# Altium PCB uAMDC.PcbDoc (part 1 of 6) (continued)
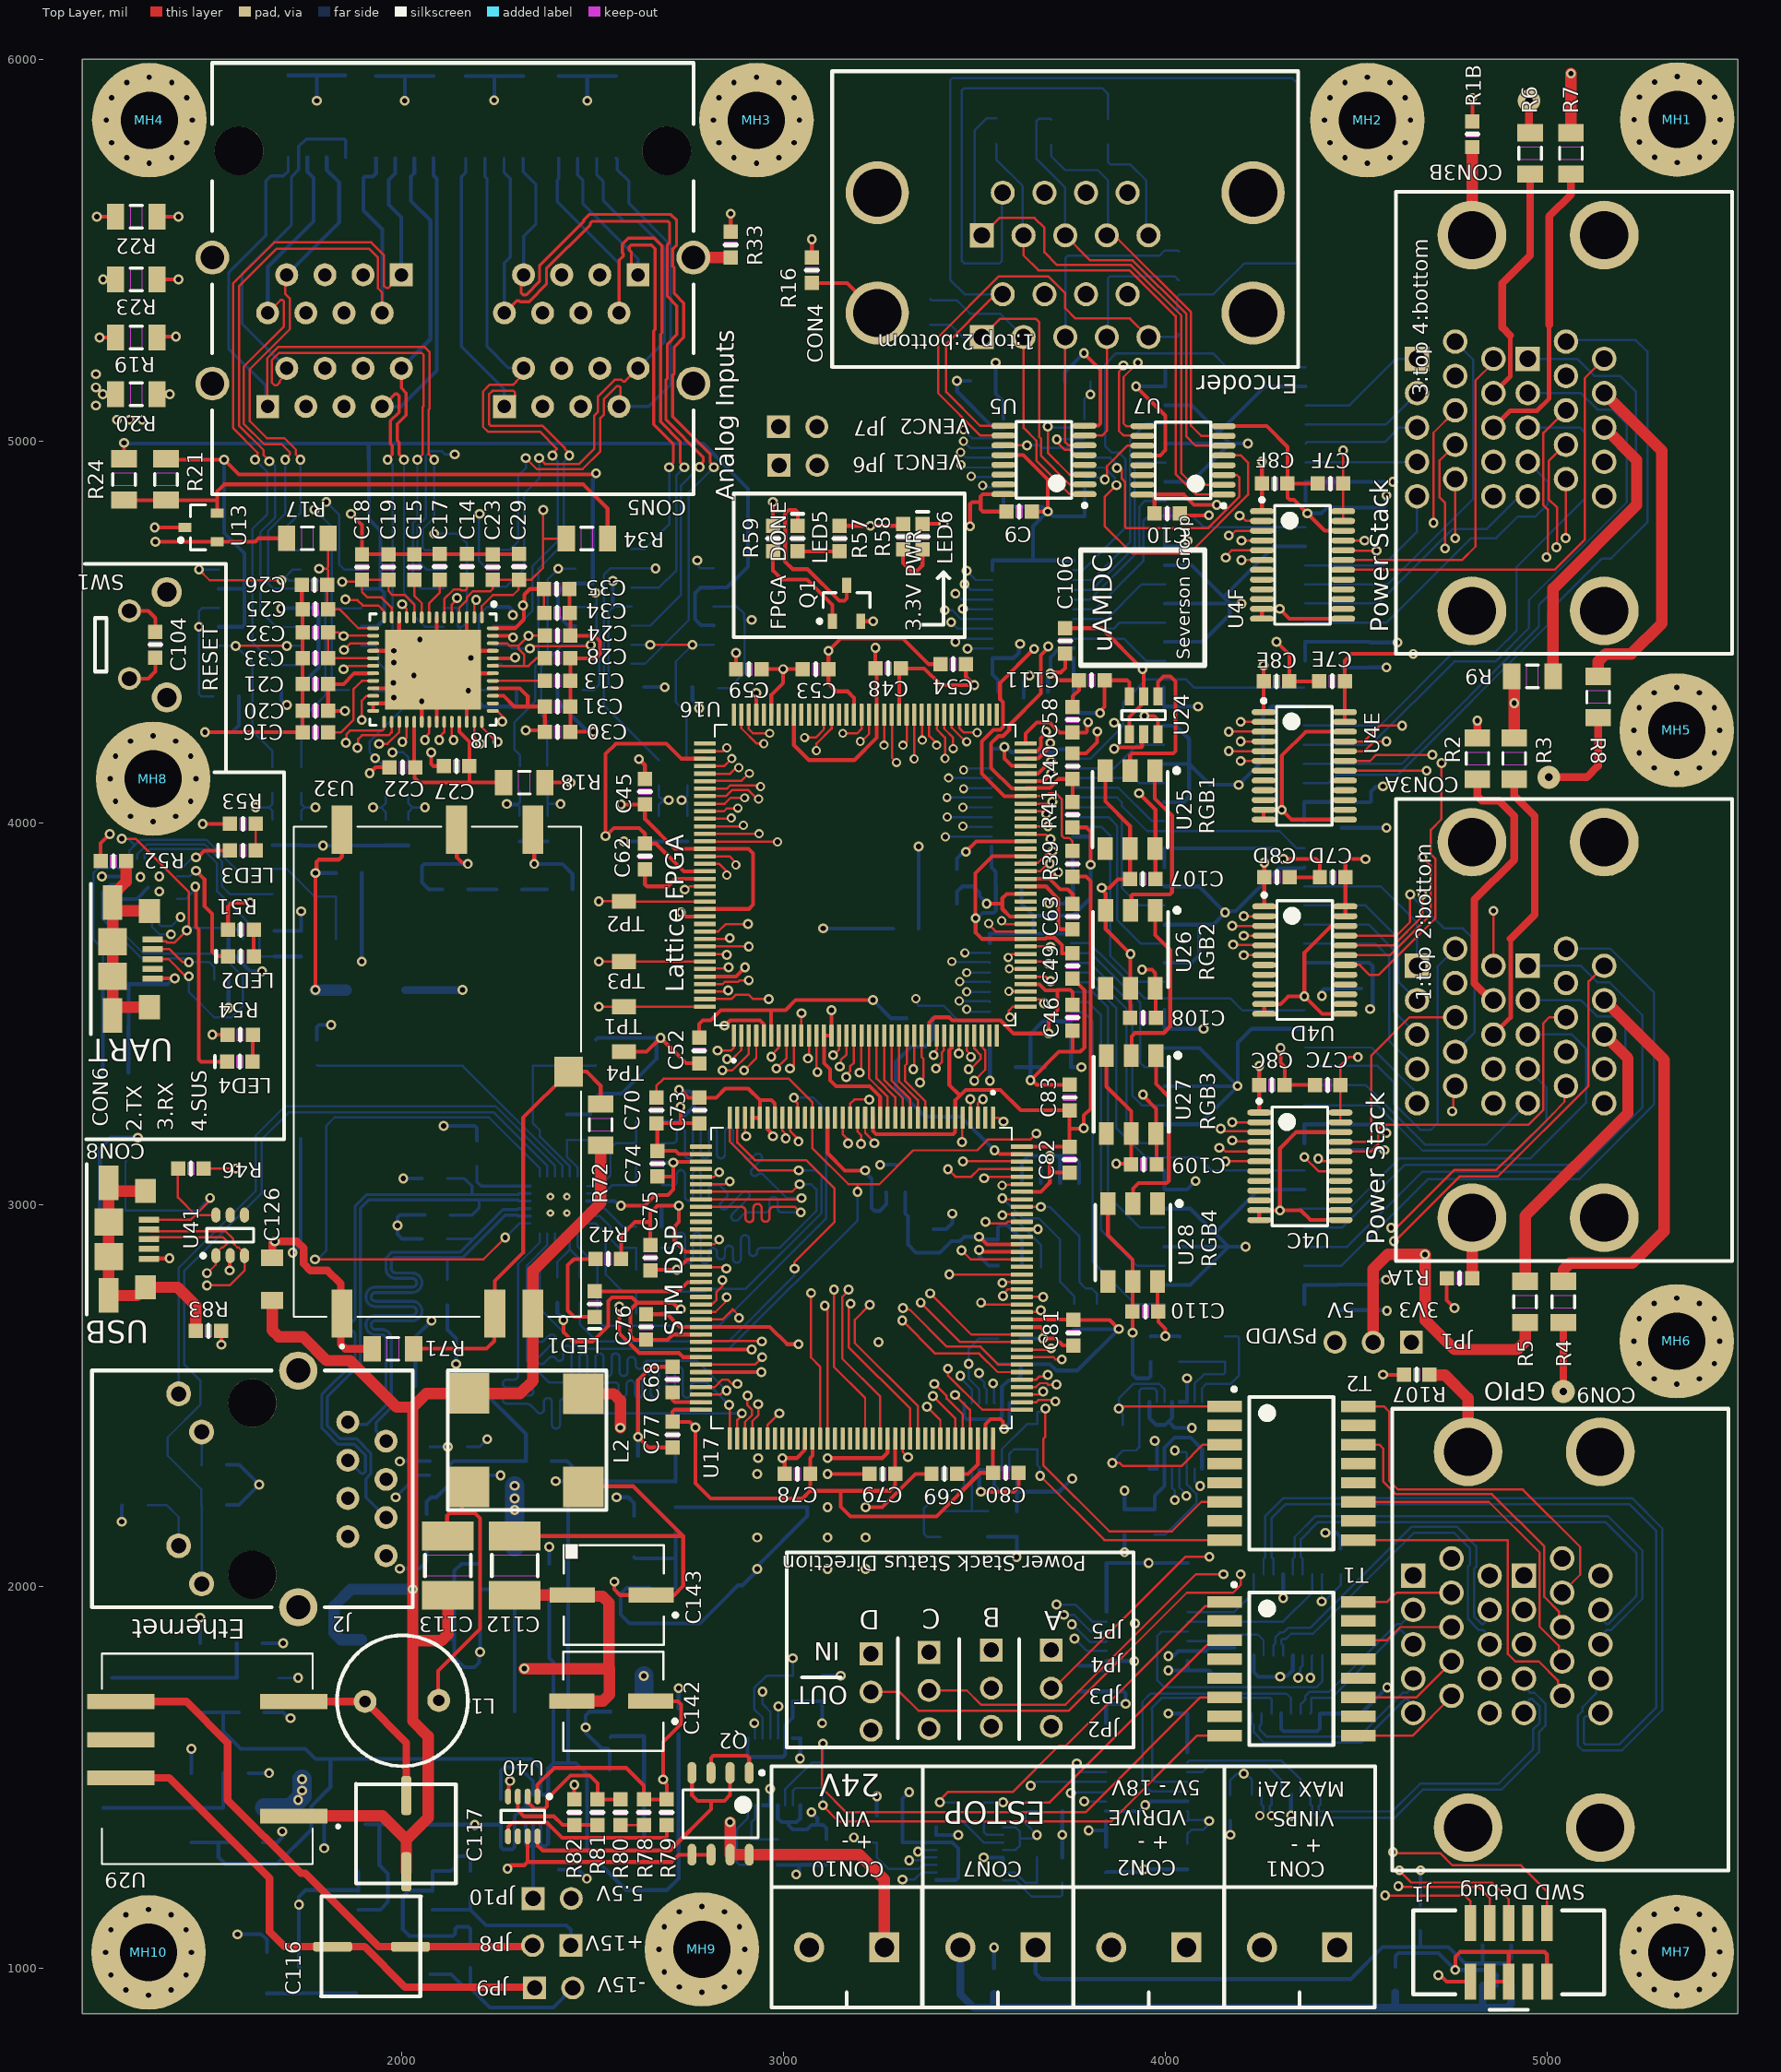
[diagram p0: Top Layer view]
## Components (designator, comment, footprint, x,y, rotation, side; value= is the part's Value field where it differs from the comment) (continued)
C73 "Capacitor" 0603-CAP 2781,3246.24 r90 top value=100nF
C74 "Capacitor" 0603-CAP 2670.76,3106.75 r270 top value=100nF
C75 "Capacitor" 0603-CAP 2652,2860.54 r270 top value=100nF
C76 "Capacitor" 0603-CAP 2641,2678.97 r270 top value=100nF
C77 "Capacitor" 0603-CAP 2710,2397 r90 top value=100nF
C78 "Capacitor" 0603-CAP 3037.46,2294 r0 top value=100nF
C79 "Capacitor" 0603-CAP 3260,2294 r0 top value=100nF
C80 "Capacitor" 0603-CAP 3583,2297 r180 top value=100nF
C81 "Capacitor" 0603-CAP 3760,2664 r90 top value=100nF
C82 "Capacitor" 0603-CAP 3750,3117 r90 top value=100nF
C83 "Capacitor" 0603-CAP 3750,3280 r270 top value=100nF
C96A "Capacitor" 0603-CAP 3279,1399.75 r0 bottom value=0.1uF (schematic designator C96)
C96B "Capacitor" 0603-CAP 3102,1732 r270 bottom value=0.1uF (schematic designator C96)
C96C "Capacitor" 0603-CAP 3894,2168.13 r90 bottom value=0.1uF (schematic designator C96)
C96D "Capacitor" 0603-CAP 3622,2615.13 r270 bottom value=0.1uF (schematic designator C96)
C97A "Capacitor" 0603-CAP 3697.87,1410.84 r180 bottom value=0.1uF (schematic designator C97)
C97B "Capacitor" 0603-CAP 3113.12,1303.87 r90 bottom value=0.1uF (schematic designator C97)
C97C "Capacitor" 0603-CAP 3962.07,2620.99 r270 bottom value=0.1uF (schematic designator C97)
C97D "Capacitor" 0603-CAP 3611.9,2162.87 r90 bottom value=0.1uF (schematic designator C97)
C98 "Capacitor" 0603-CAP 1862.87,3806.94 r0 bottom value=0.1uF
C99 "Capacitor" 0603-CAP 1862.87,3752 r0 bottom value=1uF
C100 "Capacitor" 0603-CAP 1862.87,3695.94 r0 bottom value=1uF
C101 "Capacitor" 0603-CAP 1252.25,3577.22 r180 bottom value=0.1uF
C102 "Capacitor" 0603-CAP 1252.13,3467 r180 bottom value=1uF
C103 "Capacitor" 0603-CAP 1252.13,3345 r180 bottom value=1uF
C104 "Capacitor" 0603-CAP 1356,4466 r90 top value=100nF
C105 "Capacitor" 0603-CAP 4603,970 r270 bottom value=100nF
C106 "Capacitor" 0603-CAP 3738.7,4476 r270 top value=1uF
C107 "Capacitor" 0603-CAP 3941.38,3852.05 r180 top value=100nF
C108 "Capacitor" 0603-CAP 3942.38,3489.05 r180 top value=100nF
C109 "Capacitor" 0603-CAP 3944.38,3105.05 r180 top value=100nF
C110 "Capacitor" 0603-CAP 3948.38,2720.05 r180 top value=100nF
C111 "Capacitor" 0603-CAP 3808,4373 r180 top value=1uF
C112 "Capacitor" 1812-CAP 2297,2054 r90 top value="6.8uF, 50V"
C113 "Capacitor" 1812-CAP 2122,2054 r90 top value="6.8uF, 50V"
C116 "Cap Pol1" EEV336M035A9GAA 1919,1053 r0 top value="27uF, 35V"
C117 "Cap Pol1" EDH476M050A9HAA 2006,1354 r90 top value="47uF, 50V"
C122 "Capacitor" 1808-CAP 1932.59,3561.66 r180 bottom value="1000pF, 2kV"
C123 "Capacitor" 1808-CAP 1973,1860 r0 bottom value="1000pF, 2kV"
C124 "Capacitor" 0603-CAP 2620,2308 r90 bottom value=10uF
C125 "Capacitor" 0603-CAP 2684.54,1996 r180 bottom value=10uF
C126 "Capacitor" "0805 Cap" 1656,2783 r90 top value="10uF, 50V"
C127 "Capacitor" 0603-CAP 1862.87,3868 r180 bottom value=10uF
C128 "Capacitor" 0603-CAP 1607.72,1669.45 r0 bottom value=10uF
C129 "Capacitor" 0603-CAP 1602.8,1850.55 r0 bottom value=10uF
C130 "Capacitor" 0603-CAP 2181,1221 r90 bottom value=0.33uF
C131 "Capacitor" 0603-CAP 2012,1376 r0 bottom value=0.1uF
C132 "Capacitor" 0603-CAP 1603.62,1329.45 r0 bottom value=10uF
C133 "Capacitor" 0603-CAP 2387.28,2025.13 r90 bottom value=10uF
C134 "Capacitor" 0603-CAP 2206.18,2025.13 r90 bottom value=10uF
C135 "Capacitor" 0603-CAP 1567.2,1510.55 r0 bottom value=10uF
C136 "Capacitor" 0603-CAP 2726.28,1645.87 r90 bottom value=10uF
C137 "Capacitor" 0603-CAP 2181,1034 r270 bottom value=0.33uF
C138 "Capacitor" 0603-CAP 1734,967 r270 bottom value=0.1uF
C139 "Capacitor" 0603-CAP 2548,1638 r90 bottom value=10uF
C140 "Capacitor" 0603-CAP 2379,1258 r180 bottom value=1uF
C141 "Capacitor" 0603-CAP 2261,1409 r90 bottom value=0.1uF
C142 "Cap Pol1" "CAP - UWT1V101MCL1GS" 2686,1569 r180 top value=100uF
C143 "Cap Pol1" "CAP - UWT1V101MCL1GS" 2687,1847 r180 top value=100uF
C144 "Capacitor" 0603-CAP 1246,3113 r180 bottom value=0.1uF
C145 "Capacitor" 0603-CAP 1244.13,3047 r180 bottom value=1uF
C146 "Capacitor" 0603-CAP 1244,2984 r180 bottom value=1uF
C147 "Capacitor" 0603-CAP 2360,2328 r180 bottom value=100nF
C148 "Capacitor" 0603-CAP 2066.54,2155.42 r90 bottom value=100nF
C149 "Capacitor" 0603-CAP 2648,2997 r180 bottom value=100nF
C150 "Capacitor" 0603-CAP 1769.87,3172 r0 bottom value=100nF
C151 "470pF" 0603-CAP 2433.65,3202.15 r270 bottom
C152 "30pF" 0603-CAP 1779,3398 r90 bottom
C153 "1uF" 0603-CAP 2494.68,3202.15 r270 bottom
C154 "Capacitor" 0603-CAP 1769.87,3109 r0 bottom value=100nF
C155 "10uF" 0603-CAP 1769.87,3050 r0 bottom
C156 "Capacitor" 0603-CAP 1769.87,2988 r0 bottom value=100nF
C157 "Capacitor" 0603-CAP 1769.87,2925 r0 bottom value=100nF
C158 "30pF" 0603-CAP 2509,3398 r90 bottom
C159 "Capacitor" 0603-CAP 4460,2065 r90 bottom value=0.1uF
C160 "Capacitor" 0603-CAP 4171,1419.13 r270 bottom value=0.1uF
CON1 "ScrewTerminal_1x2" 1935161 4352.43,1054 r180 top
CON2 "ScrewTerminal_1x2" 1935161 3957.57,1054 r180 top
CON3A "178-H15-513R497" 178-H15-513R497 5500,3457 r90 top (schematic designator CON3)
CON3B "178-H15-513R497" 178-H15-513R497 5500,5047 r90 top (schematic designator CON3)
CON4 "L17H2220131" L17H2220131 3738.58,5650 r180 top locked
CON5 "RJSAE538004" RJSAE538004 2695,5760 r180 top locked
CON6 "1981584-1" 1981584-1 1349.32,3642.72 r270 top
CON7 "ScrewTerminal_1x2" 1935161 3562.43,1054 r180 top
CON8 "1981584-1" 1981584-1 1338.86,2908.98 r270 top
CON9 "178-H15-513R497" 178-H15-513R497 5490,1860 r90 top locked
CON10 "ScrewTerminal_1x2" 1935161 3166.57,1054 r180 top
E1 "BLM31KN471SN1L" BEADC3216X180N 2090,2525 r0 bottom
J1 "20021521-00010D4LF" 20021521-00010D4LF 4900,1041 r0 top
J2 "J0011D21BNL" J0011D21BNL 1960,2255 r90 top locked
JP1 "Jumper3" PIN_HEADER_1X3 4545,2639 r180 top
JP2 "Jumper3" PIN_HEADER_1X3 3702,1733 r270 top
JP3 "Jumper3" PIN_HEADER_1X3 3545,1733 r270 top
JP4 "Jumper3" PIN_HEADER_1X3 3382,1727 r270 top
JP5 "Jumper3" PIN_HEADER_1X3 3230,1723 r270 top
JP6 "Jumper2" PIN_HEADER_1x2 3039,4936 r0 top
JP7 "Jumper2" PIN_HEADER_1x2 3038,5037 r0 top
JP8 "Jumper2" PIN_HEADER_1x2 2394,1059 r180 top
JP9 "Jumper2" PIN_HEADER_1x2 2399,948 r0 top
JP10 "Jumper2" PIN_HEADER_1x2 2395,1182 r0 top
L1 "RLB0914-101KL" RLB0914 2003,1700 r90 top
L2 "CMC  744273801" "CMC 744273801" 2477,2259.91 r180 top
LED1 "LED" 0603-LED 2506,2739 r90 top value=GREEN
LED2 "LED" 0603-LED 1579.87,3649.75 r0 top value=RED
LED3 "LED" 0603-LED 1585,3926.75 r0 top value=GREEN
LED4 "LED" 0603-LED 1577,3373.75 r0 top value=YELLOW
LED5 "LED" 0603-LED 3038,4744 r270 top value=YELLOW
LED6 "LED" 0603-LED 3364.88,4749 r270 top value=GREEN
MH1 "MOUNT_HOLE" MOUNTING_HOLE 5340.94,5841.57 r0 top
MH2 "MOUNT_HOLE" MOUNTING_HOLE 4530,5840 r0 top
MH3 "MOUNT_HOLE" MOUNTING_HOLE 2930,5840 r0 top
MH4 "MOUNT_HOLE" MOUNTING_HOLE 1340,5840 r0 top
MH5 "MOUNT_HOLE" MOUNTING_HOLE 5340,4242 r0 top
MH6 "MOUNT_HOLE" MOUNTING_HOLE 5340,2642 r0 top
MH7 "MOUNT_HOLE" MOUNTING_HOLE 5340,1042 r0 top
MH8 "MOUNT_HOLE" MOUNTING_HOLE 1350,4115 r0 top
MH9 "MOUNT_HOLE" MOUNTING_HOLE 2787,1049 r0 top
MH10 "MOUNT_HOLE" MOUNTING_HOLE 1338,1041 r0 top
Q1 "MOSFET" SOT95P245X110-3N 3166,4574.76 r90 top
Q2 "Si4946CDY" SOIC127P600X175-8N#1 2836,1404 r270 top
R1A "Resistor" 0603-RES 4771,2807 r180 top value=DNP (schematic designator R1)
R1B "Resistor" 0603-RES 4805,5803 r90 top value=DNP (schematic designator R1)
R2 "Resistor" 1206-RES 4818,4168 r90 top value=0
R3 "Resistor" 1206-RES 4914.54,4168 r90 top value=0
R4 "Resistor" 1206-RES 5043,2744.75 r270 top value=0
R5 "Resistor" 1206-RES 4943,2744.75 r270 top value=0
R6 "Resistor" 1206-RES 4956,5753 r90 top value=0
R7 "Resistor" 1206-RES 5063,5753 r90 top value=0
R8 "Resistor" 1206-RES 5134,4329 r270 top value=0
R9 "Resistor" 1206-RES 4962,4383.13 r180 top value=0
R10 "Resistor" 0603-RES 3385,5338 r270 bottom value=100
R11 "Resistor" 0603-RES 4036,5463 r90 bottom value=100
R12 "Resistor" 0603-RES 4033.46,5310 r270 bottom value=100
R13 "Resistor" 0603-RES 3558,5811 r90 bottom value=100
R14 "Resistor" 0603-RES 3702,5808 r90 bottom value=100
R15 "Resistor" 0603-RES 3851,5810 r270 bottom value=100
R16 "Resistor" 0603-RES 3075,5447 r90 top value=DNP
R17 "Resistor" 1206-RES 1754,4745 r0 top value=0
R18 "Resistor" 1206-RES 2322,4105 r180 top value=0
R19 "Resistor" 1206-RES 1306,5271 r0 top value=0
R20 "Resistor" 1206-RES 1306,5122 r0 top value=0
R21 "Resistor" 1206-RES 1384,4899 r90 top value=0
R22 "Resistor" 1206-RES 1306,5587 r0 top value=0
R23 "Resistor" 1206-RES 1306,5423 r0 top value=0
R24 "Resistor" 1206-RES 1274,4899 r90 top value=0
R25 "Resistor" 0603-RES 2191,5656 r180 bottom value=100k
R26 "Resistor" 0603-RES 2562,5656 r0 bottom value=100k
R27 "Resistor" 0603-RES 1679,5656 r180 bottom value=100k
R28 "Resistor" 0603-RES 2059,5656 r0 bottom value=100k
R29 "Resistor" 0603-RES 2442,5656 r0 bottom value=100k
R30 "Resistor" 0603-RES 2319,5656 r0 bottom value=100k
R31 "Resistor" 0603-RES 1934,5656 r0 bottom value=100k
R32 "Resistor" 0603-RES 1804,5656 r0 bottom value=100k
R33 "Resistor" 0603-RES 2863,5514 r270 top value=DNP
R34 "Resistor" 1206-RES 2486,4744 r180 top value=0
R35A "Resistor" 0603-RES 1662.75,4112 r90 bottom value=100 (schematic designator R35)
R35B "Resistor" 0603-RES 1958.75,4109.13 r90 bottom value=100 (schematic designator R35)
R36A "Resistor" 0603-RES 1737.75,4112 r90 bottom value=100 (schematic designator R36)
R36B "Resistor" 0603-RES 2018.75,4109.13 r90 bottom value=100 (schematic designator R36)
R37A "Resistor" 0603-RES 2311,4114.87 r90 bottom value=100 (schematic designator R37)
R37B "Resistor" 0603-RES 2674,4130.87 r90 bottom value=100 (schematic designator R37)
R38A "Resistor" 0603-RES 2382,4115.87 r90 bottom value=100 (schematic designator R38)
R38B "Resistor" 0603-RES 2749,4130.87 r90 bottom value=100 (schematic designator R38)
R39 "Resistor" 0603-RES 3758,3892.11 r90 top value=10K
R40 "Resistor" 0603-RES 3758,4148.02 r270 top value=10K
R41 "Resistor" 0603-RES 3758,4021 r270 top value=DNP
R42 "Resistor" 0603-RES 2542,2857 r0 top value=470
R43 "Resistor" 0603-RES 3356.87,3487.75 r0 bottom value=10K
R44 "Resistor" 0603-RES 3762,2707 r270 bottom value=10K
R45 "Resistor" 0603-RES 3822,2707 r270 bottom value=10K
R46 "Resistor" 0603-RES 1449.02,3094 r180 top value=10K
R47A "Resistor" 0603-RES 3279,1329 r0 bottom value=2.8k (schematic designator R47)
R47B "Resistor" 0603-RES 3025.21,1732 r270 bottom value=2.8k (schematic designator R47)
R47C "Resistor" 0603-RES 3972.74,2168.13 r90 bottom value=2.8k (schematic designator R47)
R47D "Resistor" 0603-RES 3562.94,2615.13 r270 bottom value=2.8k (schematic designator R47)
R48A "Resistor" 0603-RES 3697.87,1223.84 r0 bottom value=2.8k (schematic designator R48)
R48B "Resistor" 0603-RES 2917,1303.87 r270 bottom value=2.8k (schematic designator R48)
R48C "Resistor" 0603-RES 4157,2620.99 r90 bottom value=2.8k (schematic designator R48)
R48D "Resistor" 0603-RES 3412,2162.87 r270 bottom value=2.8k (schematic designator R48)
R49A "Resistor" 0603-RES 3697.87,1289.63 r180 bottom value=1.2k (schematic designator R49)
R49B "Resistor" 0603-RES 2985.84,1303.87 r90 bottom value=1.2k (schematic designator R49)
R49C "Resistor" 0603-RES 4037.84,2620.99 r270 bottom value=1.2k (schematic designator R49)
R49D "Resistor" 0603-RES 3536.16,2162.87 r90 bottom value=1.2k (schematic designator R49)
R50 "Resistor" 0603-RES 1662.75,3845.54 r90 bottom value=100
R51 "Resistor" 0603-RES 1579.87,3719.75 r180 top value=470
R52 "Resistor" 0603-RES 1246,3899 r180 top value=DNP
R53 "Resistor" 0603-RES 1585,3996.75 r180 top value=470
R54 "Resistor" 0603-RES 1578,3444.75 r180 top value=470
R55 "Resistor" 0603-RES 1668,3683.13 r270 bottom value=10k
R56 "Resistor" 0603-RES 1738,3683.13 r270 bottom value=10k
R57 "Resistor" 0603-RES 3148,4744 r270 top value=470
R58 "Resistor" 0603-RES 3313.87,4749 r270 top value=470
R59 "Resistor" 0603-RES 2973.25,4744 r90 top value=100
R60 "Resistor" 0603-RES 4669,1131 r270 bottom value=100
R61 "Resistor" 0603-RES 3552,966 r270 bottom value=10k
R66 "Resistor" 1206-RES 2610,2130 r270 bottom value=0
R67 "Resistor" 1206-RES 1623.46,1760 r180 bottom value=0
R68 "Resistor" 0603-RES 2141,3825 r0 bottom value=470
R69 "Resistor" 0603-RES 2282.67,3825 r0 bottom value=470
R70 "Resistor" 0603-RES 2415,3825 r180 bottom value=1.2k
R71 "Resistor" 1206-RES 1978,2622 r180 top value=0
R72 "Resistor" 1206-RES 2522,3209 r270 top value=DNP
R73 "Resistor" 1206-RES 1852,1376 r0 bottom value=0
R74 "Resistor" 1206-RES 1587.87,1420 r180 bottom value=0
R75 "Resistor" 1206-RES 2296.73,2048.75 r270 bottom value=0
R76 "Resistor" 1206-RES 2635.73,1661.66 r270 bottom value=0
R77 "Resistor" 1206-RES 1648,988 r270 bottom value=0
R78 "Resistor" 0603-RES 2635,1408 r270 top value=5.9M
R79 "Resistor" 0603-RES 2695,1408 r270 top value=178k
R80 "Resistor" 0603-RES 2574,1408 r270 top value=5.9M
R81 "Resistor" 0603-RES 2514,1408 r90 top value=121k
R82 "Resistor" 0603-RES 2453,1408 r90 top value=178k
R83 "Resistor" 0603-RES 1495,2669 r0 top value=DNP
R84 "Resistor" 0603-RES 2094.87,2972.31 r180 bottom value=50
R85 "Resistor" 0603-RES 2120.46,2769.5 r270 bottom value=50
R86 "Resistor" 0603-RES 2087,3068 r180 bottom value=50
R87 "Resistor" 0603-RES 2648,3216.75 r180 bottom value=10K
R88 "Resistor" 0603-RES 2648,3107 r180 bottom value=10K
R89 "Resistor" 0603-RES 2648,2829 r180 bottom value=10K
R90 "Resistor" 0603-RES 2087,2910 r180 bottom value=50
R91 "Resistor" 0603-RES 2648,3160.75 r0 bottom value=33
R92 "Resistor" 0603-RES 2649.13,3050 r0 bottom value=33
R93 "Resistor" 0603-RES 2648,2942 r0 bottom value=10K
R94 "Resistor" 0603-RES 2198,3134 r270 bottom value=12K1
R95 "Resistor" 0603-RES 2648,2886 r180 bottom value=33
R96 "Resistor" 0603-RES 2648,2715 r0 bottom value=1K5
R97 "Resistor" 0603-RES 2648,2772 r180 bottom value=0
R98 "Resistor" 0603-RES 2408.63,2776 r270 bottom value=10K
R99 "Resistor" 0603-RES 1510,2318 r180 bottom value=270
R100 "Resistor" 0603-RES 1510,2213 r180 bottom value=10K
R101 "Resistor" 0603-RES 2468,2776 r90 bottom value=33
R102 "Resistor" 0603-RES 1303,2212 r0 bottom value=270
R103 "Resistor" 0603-RES 3492,1434 r0 bottom value=120
R104 "Resistor" 0603-RES 3102,1505 r270 bottom value=120
R105 "Resistor" 0603-RES 3889.35,2389 r270 bottom value=120
R106 "Resistor" 0603-RES 3665.68,2392 r270 bottom value=120
R107 "Resistor" 0603-RES 4659,2554 r0 top value=DNP
SW1 "1825027-5" 1825027-5 1288,4466 r270 top
T1 "HX1188NLT" HX1188NLT 4331,1784 r270 top
T2 "HX1188NLT" HX1188NLT 4331,2296 r270 top
TP1 "Test Point" RCU-0C 2582.76,3518 r270 top
TP2 "Test Point" RCU-0C 2583,3794 r270 top
TP3 "Test Point" RCU-0C 2582.76,3636.44 r90 top
TP4 "Test Point" RCU-0C 2582.67,3399.97 r270 top
U1A "TC4468" "SOIC16_N - wide" 4000,4424 r0 bottom (schematic designator U1)
U1B "TC4468" "SOIC16_N - wide" 3998,3583 r0 bottom (schematic designator U1)
U1C "TC4468" "SOIC16_N - wide" 3998.07,2739 r0 bottom (schematic designator U1)
U2A "SN74LVC8T245" TSOP65P640X120-24N 3654,4546 r0 bottom (schematic designator U2)
U2B "SN74LVC8T245" TSOP65P640X120-24N 3652,4053 r0 bottom (schematic designator U2)
U2C "SN74LVC8T245" TSOP65P640X120-24N 3647.7,3568.84 r0 bottom (schematic designator U2)
U3A "TC4468" "SOIC16_N - wide" 4001,4843 r0 bottom (schematic designator U3)
U3B "TC4468" "SOIC16_N - wide" 3997,4004 r0 bottom (schematic designator U3)
U3C "TC4468" "SOIC16_N - wide" 3998,3160 r0 bottom (schematic designator U3)
U4A "SN74LVC8T245PWR" TSOP65P640X120-24N 3952,1526 r0 bottom (schematic designator U4)
U4B "SN74LVC8T245PWR" TSOP65P640X120-24N 3953,1920 r0 bottom (schematic designator U4)
U4C "SN74LVC8T245PWR" TSOP65P640X120-24N 4353,3100 r0 top (schematic designator U4)
U4D "SN74LVC8T245PWR" TSOP65P640X120-24N 4366,3640 r0 top (schematic designator U4)
U4E "SN74LVC8T245PWR" TSOP65P640X120-24N 4364.7,4148.84 r0 top (schematic designator U4)
U4F "SN74LVC8T245PWR" TSOP65P640X120-24N 4360,4675 r0 top (schematic designator U4)
U5 "AM26C32" TSOP65P640X120-16N 3683,4950 r180 top
U6 "SN74LVC8T245" TSOP65P640X120-24N 3683,4943 r180 bottom
U7 "AM26C32" TSOP65P640X120-16N 4047,4949 r180 top
U8 "LTC2320-14" QFN50P700X800X80_HS-53N 2083,4401 r270 top
U9 "SMDA12CTR" SOIC127P600X175-8N#1 2487,5848 r90 bottom
U10 "SMDA12CTR" SOIC127P600X175-8N#1 1779,5850 r90 bottom
U11 "SMDA12CTR" SOIC127P600X175-8N#1 2244,5848 r90 bottom
U12 "SMDA12CTR" SOIC127P600X175-8N#1 2009,5848 r90 bottom
U13 "REF3020AIDBZT" SOT23-3 1478,4771 r90 top
U14A "INA2143UA" SOIC127P600X175-14N 1629,4563 r0 bottom (schematic designator U14)
U14B "INA2143UA" SOIC127P600X175-14N 2003,4563 r0 bottom (schematic designator U14)
U15A "INA2143UA" SOIC127P600X175-14N 2348,4565 r180 bottom (schematic designator U15)
U15B "INA2143UA" SOIC127P600X175-14N 2710.72,4566 r180 bottom (schematic designator U15)
U16 "ICE40HX4K-TQ144" QFP50P2200X2200X160-144N 3215.08,3862.58 r90 top
U17 "STM32H753ZIT6" QFP50P2200X2200X160-144N 3204.79,2806.92 r270 top locked
U18 "MAX7375AXR805+T" SOT65P210X110-3N 3291.19,3064.34 r90 bottom
U19 "M24C08-RMN6TP" SOIC127P600X175-8N#2 3694,2944 r270 bottom
U20A "LTC6820IMS#TRPBF" TSSOP50P490X110-16N 3488.4,1299.47 r0 bottom (schematic designator U20)
U20B "LTC6820IMS#TRPBF" TSSOP50P490X110-16N 2976,1514 r270 bottom (schematic designator U20)
U20C "LTC6820IMS#TRPBF" TSSOP50P490X110-16N 4028,2395.28 r90 bottom (schematic designator U20)
U20D "LTC6820IMS#TRPBF" TSSOP50P490X110-16N 3543,2392 r270 bottom (schematic designator U20)
U21 "CP2102N" QFN50P400X400X80_HS-25N 1337.16,3829.79 r0 bottom
U22 "NUP4114HMR6T1G" TSOP95P280X110-6N 1547.61,3642.72 r90 bottom
U23 "NUP4114HMR6T1G" TSOP95P280X110-6N 4869,1007 r90 bottom
U24 "74LVC1T45GW,125" SOT95P280X145-6N 3943.78,4281.26 r90 top
U25 "IN-PI556FCH" IN-PI556FCH 3908.38,4034.05 r90 top
U26 "IN-PI556FCH" IN-PI556FCH 3909.38,3668.05 r90 top
U27 "IN-PI556FCH" IN-PI556FCH 3911.38,3288.05 r90 top
U28 "IN-PI556FCH" IN-PI556FCH 3915.38,2900.05 r90 top
U29 "PQP3-D24-D15-M" CONV_PQP3-D24-D15-M 1492,1548 r180 top
U31 "LT1529CQ-5#PBF" 5-DDPAK 2718,2207 r90 bottom
U32 "PYBJ6-D24-S5-M" CONV_PYBJ6-D24-S5-M 2724.69,2418 r90 top locked
U33 "AP2114H-3.3TRG1" SOT230P700X180-4N#1 1358,1760 r180 bottom
U34 "UA78L12ACDR" SOIC127P599X175-8N 1985,1228 r0 bottom
U35 "AP2114H-1.8TRG1" SOT230P700X180-4N#2 2297,1787 r270 bottom
U36 "AP2114H-3.3TRG1" SOT230P700X180-4N#1 1335.16,1420 r180 bottom
U37 "AP2114H-1.2TRG1" SOT230P700X180-4N#2 2636,1403 r270 bottom
U38 "LM79L12ACMX/NOPB" SOIC127P599X175-8N 1979,1009 r0 bottom
U39 "TPS22965DSGT" SON50P200X80_HS-9N 2355,1417 r90 bottom
U40 "LTC4365" TSOP65P280X100-8N 2318,1397 r270 top
U41 "NUP4114HMR6T1G" TSOP95P280X110-6N 1552,2919 r90 top
U42 "USBLC6-4SC6" SOT95P280X145-6N 2124,2328 r0 bottom
U43 "LAN8742A-CZ-TR" QFN50P400X400X100_HS-25N 2412,2999 r270 bottom
U44 "AM26C31" TSOP65P640X120-16N 4322,1925 r90 bottom
U45 "AM26C32" TSOP65P640X120-16N 4317.02,1560.29 r270 bottom
X1 "ASFLMB-10.000MHZ-LC-T" ASFLMB-50.000MHZ-LC-T 3407,3826 r0 bottom
X2 "ABLS-25.000MHZ-B2F-T" XTAL_ABLS-8.000MHZ-B2-T 2151,3370 r180 bottom

## Footprints (in the part's own frame and the unit in brackets; to place one, negate y for a bottom-side part, rotate by r counter-clockwise, add the part's x,y. Pads: shape width x height; smd on the part's side, far side on the other; paste and mask are expansions set on the pad)
5-DDPAK [mil] "Q PACKAGE  5-LEAD PLASTIC DD"
  rect 42x90 smd: 1(-134,0) 2(-67,0) 3(0,0) 4(67,0) 5(134,0)
  rect 420x350 smd: 6(0,345)
  body extent -200,-37 200,515, height 180
178-H15-513R497 [mil] "CONN D-SUB RCPT/RCPT 15/15POS RA"
  rect 64x64 hole 44: 1A(168,840) 1B(168,550)
  round 64 hole 44: 2A(78,840) 2B(78,550) 3A(-12,840) 3B(-12,550) 4A(-102,840) 4B(-102,550) 5A(-192,840) 5B(-192,550) 6A(213,740) 6B(213,450) 7A(123,740) 7B(123,450) 8A(33,740) 8B(33,450) 9A(-57,740) 9B(-57,450) 10A(-147,740) 10B(-147,450) 11A(168,640) 11B(168,350) 12A(78,640) 12B(78,350) 13A(-12,640) 13B(-12,350) 14A(-102,640) 14B(-102,350) 15A(-192,640) 15B(-192,350)
  round 180 hole 126: SH1(492,350) SH2(-492,350) SH3(-492,696.46) SH4(492,696.46)
  silkscreen extent -605,15 605,895, body extent -608,-238 604,893, height 1249
0603-CAP [mm]
  rect 0.95x0.95 smd: 1(-0.85,0) 2(0.85,0)
  Top Layer keep-out region: -0.2,0.4 0.2,0.4 0.2,-0.4 -0.2,-0.4
  silkscreen extent 0,-0.38 0,0.38, body extent -0.8,-0.4 0.8,0.4, height 0.79
0603-LED [mm]
  rect 0.95x0.95 smd: A(0.85,0) C(-0.85,0)
  Top Layer keep-out region: -0.2,0.4 0.2,0.4 0.2,-0.4 -0.2,-0.4
  silkscreen extent -1.65,-0.38 0,0.38, body extent -0.83,-0.37 0.82,0.81, height 0.8
0603-RES [mm]
  rect 0.95x0.95 smd: 1(-0.85,0) 2(0.85,0)
  Top Layer keep-out region: -0.2,0.4 0.2,0.4 0.2,-0.4 -0.2,-0.4
  silkscreen extent 0,-0.38 0,0.38, body extent -0.8,-0.4 0.8,0.4, height 0.44
"0805 Cap" [mm]
  rect 1.11x1.47 smd: 1(-0.875,-0.152) 2(1.967,-0.152)
  body extent -1.68,-1.12 1.75,0.86, height 1.25
1206-RES [mm] "Chip Resistor, 2-Leads, Body 3.10x1.60mm, IPC Medium Density"
  rect 1.15x1.7 smd: 1(-1.375,0) 2(1.375,0)
  Top Layer keep-out region: -0.4,0.75 -0.4,-0.75 0.4,-0.75 0.4,0.75
  silkscreen extent -0.4,-0.75 0.4,0.75, body extent -1.6,-0.85 1.6,0.85, height 0.65
1808-CAP [mil]
  rect 75x90 smd: 1(-77.48,0) 2(77.48,0)
  Top Layer keep-out region: -28,40 28,40 28,-40 -28,-40
  silkscreen extent -28,-40 28,40
1812-CAP [mil]
  rect 75x135 smd: 1(-77.48,0) 2(77.48,0)
  Top Layer keep-out region: -28,60 28,60 28,-60 -28,-60
  silkscreen extent -28,-60 28,60
1825027-5 [mm] "SWITCH TACTILE SPST-NO 0.05A 24V"
  round 1.524 hole 0.991: 1(-2.25,0) 2(2.25,0)
  round 2 hole 1.295: SH(-3.505,2.49) SH(3.505,2.49)
  silkscreen extent -1.78,-2.29 1.78,-1.52, body extent -4.2,-3.06 4.2,4.09, height 7
1935161 [mm] "TERM BLOCK PCB 2POS 5.0MM GREEN"
  rect 2x2 hole 1.3: 1(-2.5,0)
  round 2 hole 1.3: 2(2.5,0)
  silkscreen extent -5,-4 5,4, body extent -5.4,-4 5,5, height 11.5
1981584-1 [mm] "CONN RCPT MICRO USB TYPE AB"
  rect 0.4x1.35 smd: 1(-1.3,0) 2(-0.65,0) 3(0,0) 4(0.65,0) 5(1.3,0)
  rect 2.3x1.3 smd: SH(-3.75,-2.675) SH(3.75,-2.675)
  rect 1.6x1.4 smd: SH(-3.2,-0.225) SH(3.2,-0.225)
  rect 1.8x1.9 smd: SH(-1.15,-2.675) SH(1.15,-2.675)
  silkscreen extent -5,-4.13 5,-4.13, body extent -4.38,-5.48 4.43,1.92, height 12.53
20021521-00010D4LF [mm] "CONN HEADER SMD 10POS 1.27MM"
  rect 0.76x2.4 smd: 1(-2.54,-1.95) 2(-2.54,1.95) 3(-1.27,-1.95) 4(-1.27,1.95) 5(0,-1.95) 6(0,1.95) 7(1.27,-1.95) 8(1.27,1.95) 9(2.54,-1.95) 10(2.54,1.95)
  silkscreen extent -6.35,-3.81 6.35,2.79, body extent -6.32,-2.75 6.33,2.75, height 5.6
ASFLMB-50.000MHZ-LC-T [mil]
  rect 47x43 smd: 1(-52,-52) 2(48,-52) 3(48,38) 4(-52,38)
  silkscreen extent -100,-70 96,56, body extent -98,-69 98,57, height 79
BEADC3216X180N [mm]
  rect 1.4x1.82 smd: 1(-1.36,0) 2(1.36,0)
  silkscreen extent -0.34,-0.9 0.34,0.9, body extent -1.6,-0.8 1.6,0.8, height 1.8
"CAP - UWT1V101MCL1GS" [mm] "100uF cap"
  rect 3x1 smd: 1(0.838,-3.302) 2(6.088,-3.302)
  silkscreen extent -0.79,-6.6 6.65,0, body extent 0.19,-6.44 6.49,-0.14, height 7.7
"CMC 744273801" [mm] "CMC 9UH 3.5A 2LN 800 OHM SMD"
  rect 2.7x2.7 smd: 1(0,0) 2(0,-6.2) 3(7.6,-6.223) 4(7.6,0)
  silkscreen extent -1.52,-7.75 9.02,1.52, body extent -0.89,-7.45 8.61,0.85, height 5.3
CONV_PQP3-D24-D15-M [mm]
  rect 4.5x1 smd: 1(-5.75,3.81) 4(-5.75,-3.81) 5(5.75,-3.81) 6(5.75,-1.27) 7(5.75,1.27)
  silkscreen extent -8.8,-7 7,7, body extent -7.45,-7 7.55,7, height 9
CONV_PYBJ6-D24-S5-M [mm]
  rect 3.2x1.4 smd: 1(7.532,22.352) 2(7.532,12.192) 3(7.532,9.652) 4(39.712,9.652) 5(39.712,14.732) 6(39.712,22.352)
  rect 2x1.9 smd: 7(23.622,7.282)
  silkscreen extent 5.23,6.45 39.92,25.55, body extent 6.66,6.22 40.54,25.98, height 6.95
EDH476M050A9HAA [mil]
  rrect50% 102.36x25.59 smd: 1(98,-7) 2(-102,-7)
  silkscreen extent -133,-137 128,125, body extent -152,-141 147,127, height 315
EEV336M035A9GAA [mil]
  rrect50% 102.36x25.59 smd: 1(105,3) 2(-99,3)
  silkscreen extent -129,-127 132,135, body extent -147,-130 153,138, height 223
HX1188NLT [mil] "XFRMR MAGNETIC 1PORT 1:1 10/100"
  rect 30x90 smd: 1(-175,-175) 2(-125,-175) 3(-75,-175) 4(-25,-175) 5(25,-175) 6(75,-175) 7(125,-175) 8(175,-175) 9(175,175) 10(125,175) 11(75,175) 12(25,175) 13(-25,175) 14(-75,175) 15(-125,175) 16(-175,175)
  silkscreen extent -225,-155 200,110, body extent -250,-181 250,189, height 235
IN-PI556FCH [mm] "LED RGB 5050 SMD"
  rect 1.5x1 smd: 1(2.6,-1.65) 2(2.6,0) 3(2.6,1.65) 4(-2.6,1.65) 5(-2.6,0) 6(-2.6,-1.65)
  silkscreen extent -2.5,-3.25 2.75,2.5, body extent -2.75,-2.5 2.75,2.5, height 1.55
J0011D21BNL [mil] "CONN MAGJACK 1PORT 100 BASE-TX"
  round 60 hole 35: 1(175,100) 2(125,0) 3(75,100) 4(25,0) 5(-25,100) 6(-75,0) 7(-125,100) 8(-175,0)
  round 65 hole 40: 9(249,543) 10(149,483) 11(-149,543) 12(-249,483)
  round 126 hole 126: MH1(-225,350) MH2(225,350)
  round 100 hole 63: SH1(-310,230) SH2(310,230)
  silkscreen extent -310,-70 310,770, body extent -421,-72 421,778, height 627
L17H2220131 [mm] "CONN D-SUB RCPT 9POS R/A SLDR"
  rect 1.6x1.6 hole 1.1: 1B(5.54,2.84) 1T(5.54,9.6)
  round 1.6 hole 1.1: 2B(2.77,2.84) 2T(2.77,9.6) 3B(0,2.84) 3T(0,9.6) 4B(-2.77,2.84) 4T(-2.77,9.6) 5B(-5.54,2.84) 5T(-5.54,9.6) 6B(4.155,0) 6T(4.155,6.76) 7B(1.385,0) 7T(1.385,6.76) 8B(-1.385,0) 8T(-1.385,6.76) 9B(-4.155,0) 9T(-4.155,6.76)
  round 4.2 hole 3.2: SH1(-12.5,8) SH2(-12.5,0) SH3(12.5,0) SH4(12.5,8)
  silkscreen extent -15.5,-8.08 15.5,11.6, body extent -15.4,-13.8 15.41,11.6, height 31.67
MOUNTING_HOLE [mil]
  round 30 hole 14: 1(-112.5,0) 1(-98.43,-59.06) 1(-98.43,59.06) 1(-59.06,-98.43) 1(-59.06,98.43) 1(0,-112.5) 1(0,112.5) 1(59.06,-98.43) 1(59.06,98.43) 1(98.43,-59.06) 1(98.43,59.06) 1(112.5,0)
  round 300 hole 150: 1(0,0)
PIN_HEADER_1x2 [mil]
  rect 60x60 hole 40.16: 1(-50,0)
  round 60 hole 40.16: 2(50,0)
PIN_HEADER_1X3 [mil]
  rect 60x60 hole 40.16: 1(-100,0)
  round 60 hole 40.16: 2(0,0) 3(100,0)
QFN50P400X400X80_HS-25N [mm] "QFN, 24-Leads, Body 4.00x4.00mm, Pitch 0.50mm, Thermal Pad 2.68x2.68mm, IPC Medium Density"
  oval 0.8x0.25 smd mask+0.075: 1(-1.925,1.25) 2(-1.925,0.75) 3(-1.925,0.25) 4(-1.925,-0.25) 5(-1.925,-0.75) 6(-1.925,-1.25) 13(1.925,-1.25) 14(1.925,-0.75) 15(1.925,-0.25) 16(1.925,0.25) 17(1.925,0.75) 18(1.925,1.25)
  oval 0.25x0.8 smd mask+0.075: 7(-1.25,-1.925) 8(-0.75,-1.925) 9(-0.25,-1.925) 10(0.25,-1.925) 11(0.75,-1.925) 12(1.25,-1.925) 19(1.25,1.925) 20(0.75,1.925) 21(0.25,1.925) 22(-0.25,1.925) 23(-0.75,1.925) 24(-1.25,1.925)
  rect 2.45x2.45 smd mask+0.075: 25(0,0)
  silkscreen extent -2.92,-2.15 2.15,2.15, body extent -2.05,-2.05 2.05,2.05, height 0.8
QFN50P400X400X100_HS-25N [mm] "QFN, 24-Leads, Body 4.00x4.00mm, Pitch 0.50mm, Thermal Pad 2.50x2.50mm, IPC Medium Density"
  oval 0.85x0.25 smd: 1(-1.9,1.25) 2(-1.9,0.75) 3(-1.9,0.25) 4(-1.9,-0.25) 5(-1.9,-0.75) 6(-1.9,-1.25) 13(1.9,-1.25) 14(1.9,-0.75) 15(1.9,-0.25) 16(1.9,0.25) 17(1.9,0.75) 18(1.9,1.25)
  oval 0.25x0.85 smd mask+0.051: 7(-1.25,-1.9) 8(-0.75,-1.9) 9(-0.25,-1.9) 10(0.25,-1.9) 11(0.75,-1.9) 12(1.25,-1.9)
  oval 0.25x0.85 smd: 19(1.25,1.9) 20(0.75,1.9) 21(0.25,1.9) 22(-0.25,1.9) 23(-0.75,1.9) 24(-1.25,1.9)
  rect 2.5x2.5 smd: 25(0,0)
  silkscreen extent -2.95,-2.18 2.18,2.17, body extent -2.03,-2.03 2.03,2.03, height 1
QFN50P700X800X80_HS-53N [mm] "QFN, 52-Leads, Body 7.00x8.00mm, Pitch 0.50mm, Thermal Pad 5.41x6.45mm, IPC Medium Density"
  oval 0.8x0.25 smd mask+0.05: 1(-3.475,3.25) 2(-3.475,2.75) 3(-3.475,2.25) 4(-3.475,1.75) 5(-3.475,1.25) 6(-3.475,0.75) 7(-3.475,0.25) 8(-3.475,-0.25) 9(-3.475,-0.75) 10(-3.475,-1.25) 11(-3.475,-1.75) 12(-3.475,-2.25) 13(-3.475,-2.75) 14(-3.475,-3.25) 27(3.475,-3.25) 28(3.475,-2.75) 29(3.475,-2.25) 30(3.475,-1.75) 31(3.475,-1.25) 32(3.475,-0.75) 33(3.475,-0.25) 34(3.475,0.25) 35(3.475,0.75) 36(3.475,1.25) 37(3.475,1.75) 38(3.475,2.25) 39(3.475,2.75) 40(3.475,3.25)
  oval 0.25x0.8 smd mask+0.05: 15(-2.75,-3.975) 16(-2.25,-3.975) 17(-1.75,-3.975) 18(-1.25,-3.975) 19(-0.75,-3.975) 20(-0.25,-3.975) 21(0.25,-3.975) 22(0.75,-3.975) 23(1.25,-3.975) 24(1.75,-3.975) 25(2.25,-3.975) 26(2.75,-3.975) 41(2.75,3.975) 42(2.25,3.975) 43(1.75,3.975) 44(1.25,3.975) 45(0.75,3.975) 46(0.25,3.975) 47(-0.25,3.975) 48(-0.75,3.975) 49(-1.25,3.975) 50(-1.75,3.975) 51(-2.25,3.975) 52(-2.75,3.975)
  rect 5.3x6.4 smd mask+0.05: 53(0,0)
  silkscreen extent -4.47,-4.2 3.7,4.2, body extent -3.56,-4.06 3.56,4.06, height 0.8
QFP50P2200X2200X160-144N [mm]
  rrect25% 1.47x0.28 smd: 1(-10.67,8.75) 2(-10.67,8.25) 3(-10.67,7.75) 4(-10.67,7.25) 5(-10.67,6.75) 6(-10.67,6.25) 7(-10.67,5.75) 8(-10.67,5.25) 9(-10.67,4.75) 10(-10.67,4.25) 11(-10.67,3.75) 12(-10.67,3.25) 13(-10.67,2.75) 14(-10.67,2.25) 15(-10.67,1.75) 16(-10.67,1.25) 17(-10.67,0.75) 18(-10.67,0.25) 19(-10.67,-0.25) 20(-10.67,-0.75) 21(-10.67,-1.25) 22(-10.67,-1.75) 23(-10.67,-2.25) 24(-10.67,-2.75) 25(-10.67,-3.25) 26(-10.67,-3.75) 27(-10.67,-4.25) 28(-10.67,-4.75) 29(-10.67,-5.25) 30(-10.67,-5.75) 31(-10.67,-6.25) 32(-10.67,-6.75) 33(-10.67,-7.25) 34(-10.67,-7.75) 35(-10.67,-8.25) 36(-10.67,-8.75) 73(10.67,-8.75) 74(10.67,-8.25) 75(10.67,-7.75) 76(10.67,-7.25) 77(10.67,-6.75) 78(10.67,-6.25) 79(10.67,-5.75) 80(10.67,-5.25) 81(10.67,-4.75) 82(10.67,-4.25) 83(10.67,-3.75) 84(10.67,-3.25) 85(10.67,-2.75) 86(10.67,-2.25) 87(10.67,-1.75) 88(10.67,-1.25) 89(10.67,-0.75) 90(10.67,-0.25) 91(10.67,0.25) 92(10.67,0.75) 93(10.67,1.25) 94(10.67,1.75) 95(10.67,2.25) 96(10.67,2.75) 97(10.67,3.25) 98(10.67,3.75) 99(10.67,4.25) 100(10.67,4.75) 101(10.67,5.25) 102(10.67,5.75) 103(10.67,6.25) 104(10.67,6.75) 105(10.67,7.25) 106(10.67,7.75) 107(10.67,8.25) 108(10.67,8.75)
  rrect25% 0.28x1.47 smd: 37(-8.75,-10.67) 38(-8.25,-10.67) 39(-7.75,-10.67) 40(-7.25,-10.67) 41(-6.75,-10.67) 42(-6.25,-10.67) 43(-5.75,-10.67) 44(-5.25,-10.67) 45(-4.75,-10.67) 46(-4.25,-10.67) 47(-3.75,-10.67) 48(-3.25,-10.67) 49(-2.75,-10.67) 50(-2.25,-10.67) 51(-1.75,-10.67) 52(-1.25,-10.67) 53(-0.75,-10.67) 54(-0.25,-10.67) 55(0.25,-10.67) 56(0.75,-10.67) 57(1.25,-10.67) 58(1.75,-10.67) 59(2.25,-10.67) 60(2.75,-10.67) 61(3.25,-10.67) 62(3.75,-10.67) 63(4.25,-10.67) 64(4.75,-10.67) 65(5.25,-10.67) 66(5.75,-10.67) 67(6.25,-10.67) 68(6.75,-10.67) 69(7.25,-10.67) 70(7.75,-10.67) 71(8.25,-10.67) 72(8.75,-10.67) 109(8.75,10.67) 110(8.25,10.67) 111(7.75,10.67) 112(7.25,10.67) 113(6.75,10.67) 114(6.25,10.67) 115(5.75,10.67) 116(5.25,10.67) 117(4.75,10.67) 118(4.25,10.67) 119(3.75,10.67) 120(3.25,10.67) 121(2.75,10.67) 122(2.25,10.67) 123(1.75,10.67) 124(1.25,10.67) 125(0.75,10.67) 126(0.25,10.67) 127(-0.25,10.67) 128(-0.75,10.67) 129(-1.25,10.67) 130(-1.75,10.67) 131(-2.25,10.67) 132(-2.75,10.67) 133(-3.25,10.67) 134(-3.75,10.67) 135(-4.25,10.67) 136(-4.75,10.67) 137(-5.25,10.67) 138(-5.75,10.67) 139(-6.25,10.67) 140(-6.75,10.67) 141(-7.25,10.67) 142(-7.75,10.67) 143(-8.25,10.67) 144(-8.75,10.67)
  silkscreen extent -12.44,-10 10,10, body extent -10.03,-10.03 10.03,10.03, height 0.25
RCU-0C [mm] "0603 PROBE PAD"
  rect 1x1.6 smd: 1(0,0)
  body extent -0.44,-0.8 0.46,0.8, height 1.12
RJSAE538004 [mil] "CONN MOD JACK 8P8C R/A SHIELDED"
  rect 60x60 hole 35: 1A(425,670) 1B(1045,670) 1C(75,325) 1D(695,325)
  round 60 hole 35: 2A(375,570) 2B(995,570) 2C(125,425) 2D(745,425) 3A(325,670) 3B(945,670) 3C(175,325) 3D(795,325) 4A(275,570) 4B(895,570) 4C(225,425) 4D(845,425) 5A(225,670) 5B(845,670) 5C(275,325) 5D(895,325) 6A(175,570) 6B(795,570) 6C(325,425) 6D(945,425) 7A(125,670) 7B(745,670) 7C(375,325) 7D(995,325) 8A(75,570) 8B(695,570) 8C(425,425) 8D(1045,425)
  round 88.58 hole 62: SH1(-70,610) SH2(-70,280) SH3(1190,610) SH4(1190,280)
  round 127.95 hole 128: ""(0,0) ""(1120,0)
  silkscreen extent -70,-230 1190,900, body extent -137,-450 1257,900, height 1094
RLB0914 [mil]
  round 60 hole 30: 1(1,-95) 2(-2,98)
  silkscreen extent -171,-171 171,171, body extent -166,-163 164,167, height 399